# Altium PCB RTM_4SFP_3QSFP.PcbDoc (part 1 of 4) (continued)
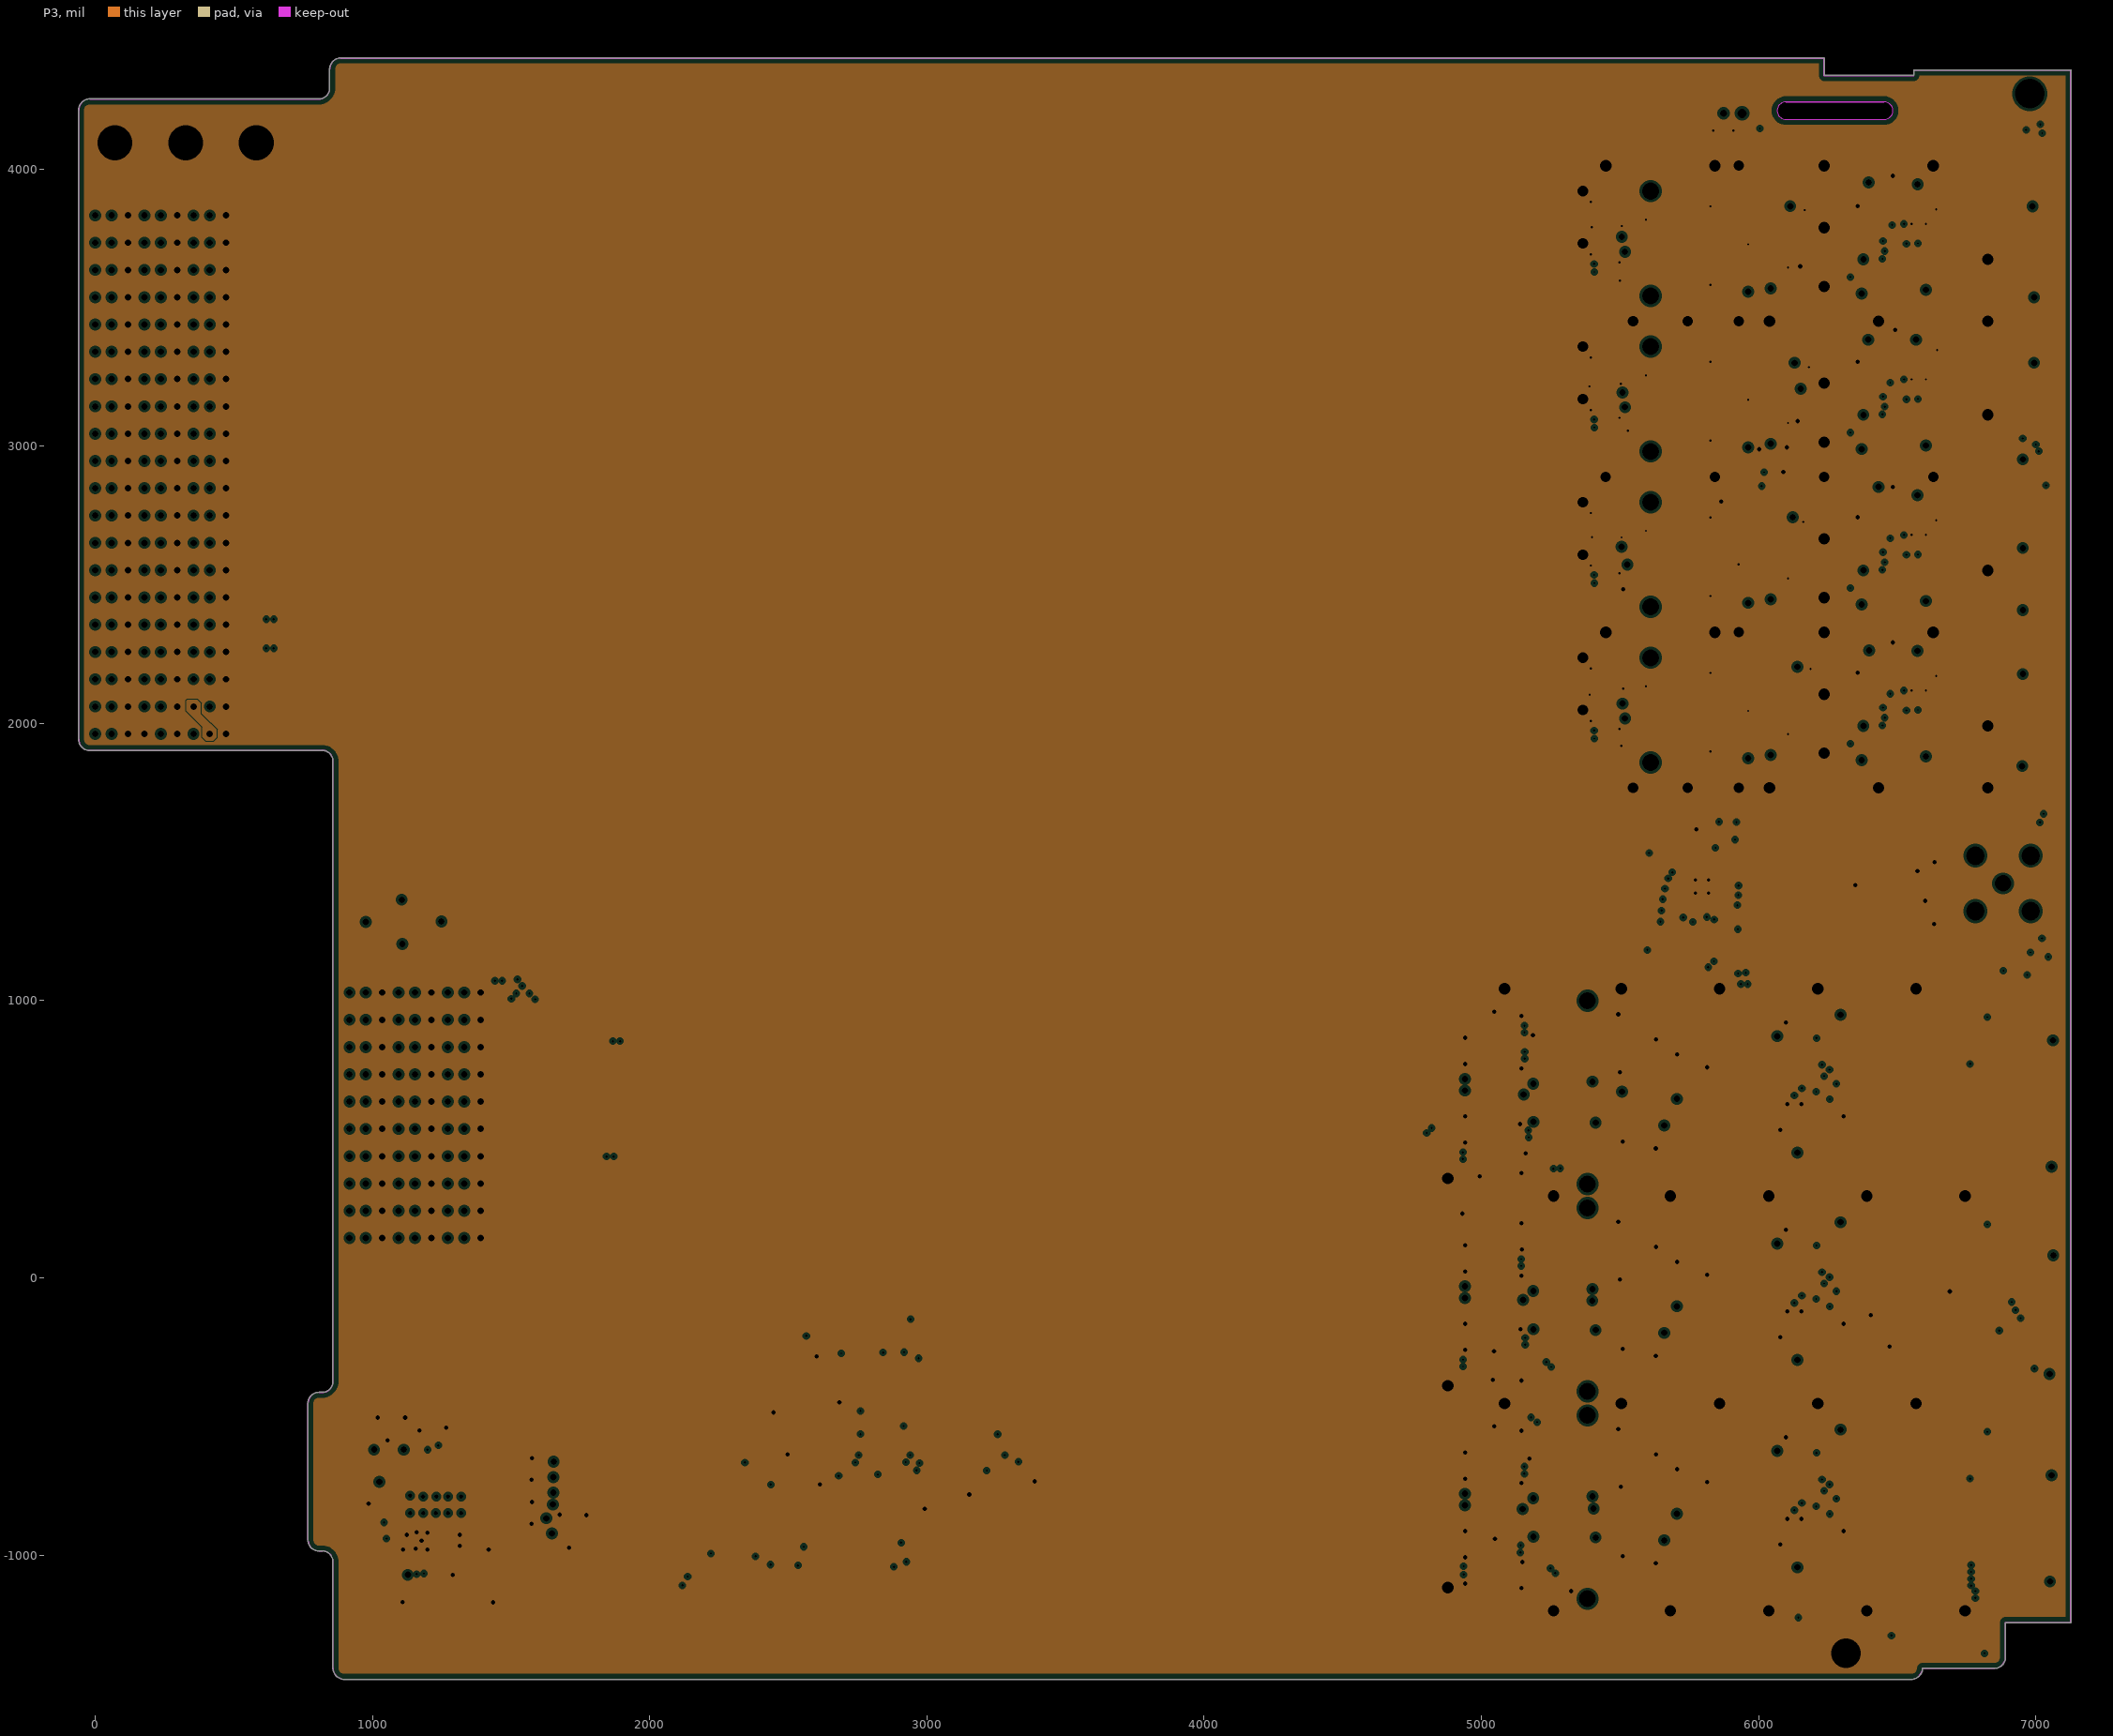
[diagram p3: P3, clearances drawn from the general rule]

## Layer stack, top to bottom
Top Solder: solder mask 0.3941, Solder Resist, Dk 3.5
L1: signal copper 1.1811
Dielectric1: prepreg 3.8976, FR408, Dk 3.54
P2: plane copper 1.4169, net P3V3
Dielectric 3: core 49.213, FR408, Dk 3.54
P3: plane copper 1.4169, net GND
Dielectric 2: prepreg 3.898, FR408, Dk 3.54
L4: signal copper 1.1811
Bottom Solder: solder mask 0.3941, Solder Resist, Dk 3.5

## Board outline
766.72,-944.88 ccw(c807.09,-944.88) 807.09,-985.25 ccw(c807.09,-984.25) 807.12,-985.25 818.9,-985.25 cw(c818.9,-1023.62) 857.27,-1023.59 cw(c818.9,-1023.62) 857.27,-1023.62 cw(c858.27,-1023.62) 857.27,-1023.59 857.27,-1023.62 857.27,-1407.48 ccw(c858.27,-1407.48) 857.27,-1407.51 ccw(c897.64,-1407.48) 897.59,-1447.85 ccw(c897.64,-1407.48) 897.64,-1447.85 6551.02,-1447.85 ccw(c6551.32,-1446.9) 6551.32,-1447.9 ccw(c6551.32,-1407.53) 6591.68,-1408.53 6850.53,-1408.53 ccw(c6850.53,-1407.53) 6850.56,-1408.53 ccw(c6850.53,-1368.16) 6890.9,-1368.16 ccw(c6889.9,-1368.16) 6890.75,-1367.62 6890.75,-1243.15 7125.95,-1243.15 ccw(c7125.95,-1242.15) 7126.95,-1242.15 7126.95,4356.35 ccw(c7125.95,4356.35) 7125.95,4357.35 6560.55,4357.35 ccw(c6560.55,4356.35) 6559.55,4356.35 6559.55,4337.65 6237.22,4337.65 6237.22,4399.61 ccw(c6236.22,4399.61) 6236.22,4400.61 885.83,4400.61 ccw(c885.83,4399.61) 885.8,4400.61 cw(c885.83,4360.24) 885.83,4400.61 cw(c885.83,4399.61) 885.83,4400.61 885.8,4400.61 ccw(c885.83,4360.24) 845.46,4360.24 ccw(c846.46,4360.24) 845.46,4360.21 845.46,4291.34 cw(c846.46,4291.34) 845.46,4291.37 845.46,4291.34 cw(c807.09,4291.34) 807.11,4252.97 ccw(c807.09,4251.97) 807.09,4252.97 -19.68,4252.97 ccw(c-19.68,4251.97) -19.71,4252.97 cw(c-19.69,4212.6) -19.69,4252.97 cw(c-19.69,4251.97) -19.68,4252.97 -19.71,4252.97 ccw(c-19.69,4212.6) -60.05,4212.6 ccw(c-59.06,4212.6) -60.05,4212.57 -60.05,1942.91 ccw(c-19.68,1942.91) -19.72,1902.54 ccw(c-19.68,1942.91) -19.68,1902.54 cw(c-19.68,1903.54) -19.72,1902.54 -19.68,1902.54 818.9,1902.54 ccw(c818.9,1903.54) 818.93,1902.54 ccw(c818.9,1864.17) 818.9,1902.54 cw(c818.9,1903.54) 818.9,1902.54 818.93,1902.54 cw(c818.9,1864.17) 857.27,1864.21 cw(c818.9,1864.17) 857.27,1864.17 cw(c858.27,1864.17) 857.27,1864.21 857.27,1864.17 857.27,-374.02 ccw(c858.27,-374.02) 857.27,-374.05 ccw(c818.9,-374.02) 857.27,-374.02 cw(c858.27,-374.02) 857.27,-374.02 857.27,-374.05 cw(c818.9,-374.02) 818.93,-412.39 ccw(c818.9,-413.39) 818.9,-412.39 807.09,-412.39 ccw(c807.09,-413.39) 807.06,-412.39 cw(c807.09,-452.76) 807.09,-412.39 cw(c807.09,-413.39) 807.09,-412.39 807.06,-412.39 ccw(c807.09,-452.76) 766.72,-452.76 ccw(c767.72,-452.76) 766.72,-452.79
cut-out: 6098.56,4179.09 6452.89,4179.09 ccw(c6452.89,4210.59) 6452.89,4242.08 6098.56,4242.08 ccw(c6098.56,4210.59)

## Design rules (kind name [scope] priority, off if disabled: settings)
AcuteAngle [All] p1: minimum=5.00000000000000E+0001 checktracksonly=FALSE
Clearance Clearance_copper_balancing [InPoly] p1: gap=10 ignorepadtopadclearanceinfootprint=FALSE
Clearance Clearance_Diff_Room [(InDifferentialPairClass('All Differential Pairs')) vs isRoom] p2 off: gap=10 ignorepadtopadclearanceinfootprint=FALSE
Clearance Clearance_Diff [All] p3 off: gap=9.84 ignorepadtopadclearanceinfootprint=FALSE
Clearance Clearance_2 [All] p4: gap=6 ignorepadtopadclearanceinfootprint=FALSE
Clearance [All] p5: gap=5 ignorepadtopadclearanceinfootprint=FALSE except(20: Arc-Poly Track-Poly SMDPad-Poly THPad-Poly Via-Poly Fill-Poly Poly-Poly)
ComponentClearance ComponentClearance_FP [InComponent('FP200')] p1: gap=-39370.08 collisioncheckmode=3 verticalgap=-39370.08 showdistances=FALSE
ComponentClearance [All] p2: gap=7.87 collisioncheckmode=3 verticalgap=7.87 showdistances=FALSE
DiffPairsRouting IF_DiffPairsRouting [(InDifferentialPairClass('All Differential Pairs'))] p1: maxlimit=5 minlimit=5 mostfreqgap=5 toplayer_minwidth=3.8 toplayer_maxwidth=3.8 toplayer_prefwidth=3.8 bottomlayer_minwidth=3.8 bottomlayer_maxwidth=3.8 bottomlayer_prefwidth=3.8 maxuncoupledlength=1968.5
FabricationTestPointUsage TestPointUsage [All] p1: valid=0 allowmultiple=FALSE
FabricationTestpoint Testpoint [(IsPad And (OnTopLayer Or OnBottomLayer))] p1: side=3 testpointundercomponent=TRUE minsize=40 maxsize=100 preferedsize=60 minholesize=0 maxholesize=40 preferedholesize=32 testpointgrid=1 allowsidetop=TRUE allowsidebottom=TRUE usegrid=TRUE gridtolerance=0.01
Height TopHeight [OnLayer('Top Layer (LO)')] p1: minheight=0 maxheight=62.99 prefheight=19.68
HoleSize [All] p1: absolutevalues=TRUE maxlimit=196.85 minlimit=7.87 maxpercent=80.000 minpercent=20.000
HoleToHoleClearance [All] p1: gap=15.75 allowstackedmicrovias=TRUE
Length [All] p1: maxlimit=100000 minlimit=0
MatchedLengths MatchedLengths_CLOCK [InNetClass('CLOCK')] p1: tolerance=3.94 checknetsindiffpair=FALSE checkdiffpairvsdiffpair=TRUE checkxsignals=TRUE checkothers=TRUE
MatchedLengths [InNetClass('IQ_SIGNAL')] p2 off: tolerance=1.97 checknetsindiffpair=TRUE checkdiffpairvsdiffpair=FALSE checkxsignals=FALSE checkothers=FALSE
MinimumAnnularRing [All] p1: minimumring=5.91
MinimumSolderMaskSliver [All] p1: minsoldermaskwidth=2.36
PlaneClearance [All] p1: clearance=9.84
PlaneConnect [All] p1: pad.planeconnectstyle=Relief pad.reliefexpansion=6 pad.reliefentries=4 pad.reliefconductorwidth=8 pad.reliefairgap=6 via.planeconnectstyle=Direct via.reliefexpansion=20 via.reliefentries=4 via.reliefconductorwidth=10 via.reliefairgap=10
PolygonConnect [All] p1: thpad.connectstyle=Relief thpad.reliefconductorwidth=8 thpad.reliefentries=4 thpad.polygonreliefangle="90 Angle" thpad.airgapwidth=8 smdpad.connectstyle=Relief smdpad.reliefconductorwidth=8 smdpad.reliefentries=4 smdpad.polygonreliefangle="90 Angle" smdpad.airgapwidth=6 via.connectstyle=Direct via.reliefconductorwidth=10 via.reliefentries=4 via.polygonreliefangle="90 Angle" via.airgapwidth=10
RoomDefinition U_SFP3 [InComponentClass('U_SFP3')] p1: confinementstyle=ConfineIn formatcopy=TRUE lockcomponents=FALSE outline 5253.89,2305 7281.46,2305 7281.46,2917.13 5253.89,2917.13
RoomDefinition U_PWR [InComponentClass('U_PWR')] p2: confinementstyle=ConfineIn formatcopy=TRUE lockcomponents=FALSE outline 1915,-399 1915,-1201.9 946.49,-1201.9 946.49,-399
RoomDefinition U_QSFPC [InComponentClass('U_QSFPC')] p3: confinementstyle=ConfineIn formatcopy=TRUE lockcomponents=FALSE outline 7290,-1202.06 4903.94,-1202.06 4903.94,-467.52 7290,-467.52
RoomDefinition U_QSFPB [InComponentClass('U_QSFPB')] p4: confinementstyle=ConfineIn formatcopy=TRUE lockcomponents=FALSE outline 7290,-454.03 4903.94,-454.03 4903.94,280.51 7290,280.51
RoomDefinition U_QSFPA [InComponentClass('U_QSFPA')] p5: confinementstyle=ConfineIn formatcopy=TRUE lockcomponents=FALSE outline 7290,294 4903.94,294 4903.94,1028.54 7290,1028.54
RoomDefinition U_I2C_Switch [InComponentClass('U_I2C_Switch')] p6: confinementstyle=ConfineIn formatcopy=TRUE lockcomponents=FALSE outline 5401.97,1259.84 6235.63,1259.84 6235.63,1642.09 5401.97,1642.09
RoomDefinition U_SFP4 [InComponentClass('U_SFP4')] p7: confinementstyle=ConfineIn formatcopy=TRUE lockcomponents=FALSE outline 5253.89,2866.02 7281.46,2866.02 7281.46,3478.15 5253.89,3478.15
RoomDefinition U_SFP2 [InComponentClass('U_SFP2')] p8: confinementstyle=ConfineIn formatcopy=TRUE lockcomponents=FALSE outline 5253.89,1743.98 7281.46,1743.98 7281.46,2356.1 5253.89,2356.1
RoomDefinition U_SFP1 [InComponentClass('U_SFP1')] p9: confinementstyle=ConfineIn formatcopy=TRUE lockcomponents=FALSE outline 5253.89,3427.05 7281.46,3427.05 7281.46,4039.17 5253.89,4039.17
RoomDefinition U_USR_IO_IPMI [InComponentClass('U_USR_IO_IPMI')] p10: confinementstyle=ConfineIn formatcopy=TRUE lockcomponents=FALSE outline 4631.89,-1313.82 2122.81,-1313.82 2122.81,-890.59 4631.89,-890.59
RoomDefinition U_uRFB_Connectors [InComponentClass('U_uRFB_Connectors')] p11: confinementstyle=ConfineIn formatcopy=TRUE lockcomponents=FALSE outline 263.78,37.4 1633.86,37.4 1633.86,1076.77 263.78,1076.77
RoomDefinition U_RTM_Connectors [InComponentClass('U_RTM_Connectors')] p12: confinementstyle=ConfineIn formatcopy=TRUE lockcomponents=FALSE outline 720.47,2083.45 -230.32,2083.45 -230.32,3841.32 720.47,3841.32
RoomDefinition RTM_4SFP_3QSFP_TOP [InComponentClass('RTM_4SFP_3QSFP_TOP')] p13: confinementstyle=ConfineIn formatcopy=TRUE lockcomponents=FALSE outline 4744.09,-1383.86 5061.02,-1383.86 5061.02,-996.06 4744.09,-996.06
RoutingVias RoutingVias_GND [InNet('GND')] p1: holewidth=15.75 width=23.62 viastyle="Through Hole" minholewidth=15.75 minwidth=23.62 maxholewidth=15.75 maxwidth=23.62
RoutingVias RoutingVias_PWR [InNetClass('POWER')] p2: holewidth=23.62 width=31.5 viastyle="Through Hole" minholewidth=23.62 minwidth=31.5 maxholewidth=23.62 maxwidth=31.5
RoutingVias [All] p3: holewidth=7.87 width=19.68 viastyle="Through Hole" minholewidth=7.87 minwidth=19.68 maxholewidth=7.87 maxwidth=19.68
SMDNeckDown [All] p1: percent=100.000
SMDToCorner [All] p1: distance=78740
SMDToPlane [All] p1 off: distance=0
ShortCircuit ShortCircuit_SMA [(InComponent('P1') OR InComponent('P2') OR InComponent('P5') OR InComponent('P4')) vs (OnLayer('Keep-Out Layer') OR OnLayer('Multi-Layer'))] p1: allowed=TRUE
ShortCircuit [All] p2: allowed=FALSE
SilkToSilkClearance [All] p1: silktosilkclearance=0
SilkToSolderMaskClearance SilkscreenOverComponentPads [IsPad vs IsText] p1: minsilkscreentomaskgap=1.97 clearancetoexposedcopper=TRUE
SolderMaskExpansion [All] p1: expansion=2.76
UnRoutedNet [not InNet('RF_ZE') or not('GND')] p1:
ViasUnderSMD [All] p1: allowed=FALSE
Width Width_PWR [InNetClass('POWER')] p1: maxlimit=78.74 minlimit=10 preferedwidth=19.68
Width Width_50Ohm_SIN [InNetClass('50R')] p2: maxlimit=6.64 minlimit=6.63 preferedwidth=6.64 toplayer_maxwidth=6.63 toplayer_prefwidth=6.63 bottomlayer_minwidth=6.64 minimp=50.000000 maximp=50.000000 favimp=50.000000
Width [All] p3: maxlimit=200 minlimit=5 preferedwidth=6
16 further rules are at their usual default settings.

## Classes and differential pairs
net class Diff_100Ohm: ADC1_SYNC_N ADC1_SYNC_P ADC2_SYNC_N ADC2_SYNC_P CLK_SMA_IN_N CLK_SMA_IN_P CLKA_N CLKA_P CLKB_N CLKB_P LVDS0_N LVDS0_P LVDS1_N LVDS1_P LVDS2_N LVDS2_P LVDS3_N LVDS3_P
net class POWER: GND P3V3 P12V0 QSFP_VCC1A QSFP_VCC1B QSFP_VCC1C QSFP_VCCRXA QSFP_VCCRXB QSFP_VCCRXC QSFP_VCCTXA QSFP_VCCTXB QSFP_VCCTXC SFP_VCCRA SFP_VCCRB SFP_VCCRC SFP_VCCRD SFP_VCCTA SFP_VCCTB SFP_VCCTC SFP_VCCTD
net class DE: GTP4RX_N GTP4RX_P GTP4TX_N GTP4TX_P GTP5RX_N GTP5RX_P GTP5TX_N GTP5TX_P GTP6RX_N GTP6RX_P GTP6TX_N GTP6TX_P GTP7RX_N GTP7RX_P GTP7TX_N GTP7TX_P GTP8RX_N GTP8RX_P GTP8TX_N GTP8TX_P GTP9RX_N GTP9RX_P GTP9TX_N GTP9TX_P GTP10RX_N GTP10RX_P GTP10TX_N GTP10TX_P GTP11RX_N GTP11RX_P GTP11TX_N GTP11TX_P GTP12RX_N GTP12RX_P GTP12TX_N GTP12TX_P GTP13RX_N GTP13RX_P GTP13TX_N GTP13TX_P GTP14RX_N GTP14RX_P GTP14TX_N GTP14TX_P GTP15RX_N GTP15RX_P GTP15TX_N GTP15TX_P
channel class SFP: U_SFP1 U_SFP2 U_SFP3 U_SFP4
channel class QSFP: U_QSFPA U_QSFPB U_QSFPC
net class QSFP: GTP4RX_N GTP4RX_P GTP4TX_N GTP4TX_P GTP5RX_N GTP5RX_P GTP5TX_N GTP5TX_P GTP6RX_N GTP6RX_P GTP6TX_N GTP6TX_P GTP7RX_N GTP7RX_P GTP7TX_N GTP7TX_P GTP8RX_N GTP8RX_P GTP8TX_N GTP8TX_P GTP9RX_N GTP9RX_P GTP9TX_N GTP9TX_P GTP10RX_N GTP10RX_P GTP10TX_N GTP10TX_P GTP11RX_N GTP11RX_P GTP11TX_N GTP11TX_P GTP12RX_N GTP12RX_P GTP12TX_N GTP12TX_P GTP13RX_N GTP13RX_P GTP13TX_N GTP13TX_P GTP14RX_N GTP14RX_P GTP14TX_N GTP14TX_P GTP15RX_N GTP15RX_P GTP15TX_N GTP15TX_P
component class U_USR_IO_IPMI: C21 C25 C26 C27 C29 D1 IC4 IC6 IC8 IC10 IC14 LDx LDy LED17 PB1 R7 R8 R9 R14 R15 R16 R23 R24 R25 R26 R27 R28 R30 R31 R32 R33 R34 R35 R36 R44 R45 R46 R47 R48 R73 R74 R75 T1 T2
component class U_uRFB_Connectors: C16 C17 C18 C19 C28 J3 J8 R2 TR1
component class U_SFP4: C12D C13D C14D C15D C20D C22D C23D C24D CON1D FB1D FB5D IC3D LD3D LD4D R37D R38D R39D R40D R41D R42D R43D
component class U_SFP3: C12C C13C C14C C15C C20C C22C C23C C24C CON1C FB1C FB5C IC3C LD3C LD4C R37C R38C R39C R40C R41C R42C R43C
component class U_SFP2: C12B C13B C14B C15B C20B C22B C23B C24B CON1B FB1B FB5B IC3B LD3B LD4B R37B R38B R39B R40B R41B R42B R43B
component class U_SFP1: C12A C13A C14A C15A C20A C22A C23A C24A CON1A FB1A FB5A IC3A LD3A LD4A R37A R38A R39A R40A R41A R42A R43A
component class U_RTM_Connectors: F1 J1 J2 J4
component class U_QSFPC: C33C C34C C35C C36C C37C C38C C39C C40C C41C C42C C43C C44C FB2C FB3C FB4C IC2C J5C LD1C LD2C R10C R11C R12C R13C R17C R18C R29C
component class U_QSFPB: C33B C34B C35B C36B C37B C38B C39B C40B C41B C42B C43B C44B FB2B FB3B FB4B IC2B J5B LD1B LD2B R10B R11B R12B R13B R17B R18B R29B
component class U_QSFPA: C33A C34A C35A C36A C37A C38A C39A C40A C41A C42A C43A C44A FB2A FB3A FB4A IC2A J5A LD1A LD2A R10A R11A R12A R13A R17A R18A R29A
component class U_PWR: C1 C2 C3 C4 C5 C6 C7 C8 C9 C10 C11 IC1 R1 R3 R4 R5 R6 TP1 TP2
component class U_I2C_Switch: C402 IC39 R316 R317 R318 R319 R320 R321 R322 R323 R324 R325 R326 R327 R328 R329 R330 R331 R332 R333 R334 R335 R336
component class RTM_4SFP_3QSFP_TOP: Cage1 Cage2 FP1 FTG1 FTG2 FTG3 FTG4 FTG5 FTG6 FTG7 FTG8 R19 R20 R21 R22
net class 50R: NetC17_2 SMA_IO
differential pair CLKB: +CLKB_P -CLKB_N
differential pair CLKA: +CLKA_P -CLKA_N
differential pair CLK_SMA_IN: +CLK_SMA_IN_P -CLK_SMA_IN_N
differential pair GTP0TX: +GTP0TX_P -GTP0TX_N
differential pair GTP0RX: +GTP0RX_P -GTP0RX_N
differential pair GTP15TX: +GTP15TX_P -GTP15TX_N
differential pair GTP15RX: +GTP15RX_P -GTP15RX_N
differential pair GTP14TX: +GTP14TX_P -GTP14TX_N
differential pair GTP14RX: +GTP14RX_P -GTP14RX_N
differential pair GTP13TX: +GTP13TX_P -GTP13TX_N
differential pair GTP13RX: +GTP13RX_P -GTP13RX_N
differential pair GTP12TX: +GTP12TX_P -GTP12TX_N
differential pair GTP12RX: +GTP12RX_P -GTP12RX_N
differential pair GTP11TX: +GTP11TX_P -GTP11TX_N
differential pair GTP11RX: +GTP11RX_P -GTP11RX_N
differential pair GTP10TX: +GTP10TX_P -GTP10TX_N
differential pair GTP10RX: +GTP10RX_P -GTP10RX_N
differential pair GTP9TX: +GTP9TX_P -GTP9TX_N
differential pair GTP9RX: +GTP9RX_P -GTP9RX_N
differential pair GTP8TX: +GTP8TX_P -GTP8TX_N
differential pair GTP8RX: +GTP8RX_P -GTP8RX_N
differential pair GTP7TX: +GTP7TX_P -GTP7TX_N
differential pair GTP7RX: +GTP7RX_P -GTP7RX_N
differential pair GTP6TX: +GTP6TX_P -GTP6TX_N
differential pair GTP6RX: +GTP6RX_P -GTP6RX_N
differential pair GTP5TX: +GTP5TX_P -GTP5TX_N
differential pair GTP5RX: +GTP5RX_P -GTP5RX_N
differential pair GTP4TX: +GTP4TX_P -GTP4TX_N
differential pair GTP4RX: +GTP4RX_P -GTP4RX_N
differential pair GTP3TX: +GTP3TX_P -GTP3TX_N
differential pair GTP3RX: +GTP3RX_P -GTP3RX_N
differential pair GTP2TX: +GTP2TX_P -GTP2TX_N
differential pair GTP2RX: +GTP2RX_P -GTP2RX_N
differential pair GTP1TX: +GTP1TX_P -GTP1TX_N
differential pair GTP1RX: +GTP1RX_P -GTP1RX_N
differential pair ADC1_SYNC: +ADC1_SYNC_P -ADC1_SYNC_N
differential pair ADC2_SYNC: +ADC2_SYNC_P -ADC2_SYNC_N
differential pair LVDS2: +LVDS2_P -LVDS2_N
differential pair LVDS3: +LVDS3_P -LVDS3_N
differential pair LVDS0: +LVDS0_P -LVDS0_N
differential pair LVDS1: +LVDS1_P -LVDS1_N

## Components (designator, comment, footprint, x,y, rotation, side; value= is the part's Value field where it differs from the comment)
C1 "10uF" CAPC2012X135N 1495.71,-885.96 r180 bottom
C2 "10uF" CAPC2012X135N 1495.71,-649.74 r180 bottom
C3 "10uF" CAPC2012X135N 1495.71,-728.48 r180 bottom
C4 "10uF" CAPC2012X135N 1495.71,-807.22 r180 bottom
C5 "100uF" CAPAE660X540N 1726.02,-758.99 r270 bottom
C6 "10uF" CAPC3216X140N 1019.33,-605.44 r270 bottom
C7 "10uF" CAPC3216X140N 1117.84,-605.45 r270 bottom
C8 "100nF" CAPC1005X55N 1007.52,-784.58 r0 bottom
C9 "1nF" CAPC1005X55N 1193.04,-1123.16 r270 bottom
C10 "100nF" CAPC1005X55N 993.74,-954.86 r90 bottom
C11 "12pF" CAPC1005X55N 1265.59,-585.76 r270 bottom
C12A "10uF" CAPC2012X135N 5927.17,3686.02 r0 top (schematic designator C12)
C12B "10uF" CAPC2012X135N 5927.17,2002.95 r0 top (schematic designator C12)
C12C "10uF" CAPC2012X135N 5927.17,2563.98 r0 top (schematic designator C12)
C12D "10uF" CAPC2012X135N 5927.17,3125 r0 top (schematic designator C12)
C13A "100nF" CAPC1005X55N 5480.31,3710.63 r270 top (schematic designator C13)
C13B "100nF" CAPC1005X55N 5480.31,2027.56 r270 top (schematic designator C13)
C13C "100nF" CAPC1005X55N 5480.31,2588.58 r270 top (schematic designator C13)
C13D "100nF" CAPC1005X55N 5480.31,3149.61 r270 top (schematic designator C13)
C14A "10uF" CAPC2012X135N 6068.9,3688.98 r0 top (schematic designator C14)
C14B "10uF" CAPC2012X135N 6068.9,2005.9 r0 top (schematic designator C14)
C14C "10uF" CAPC2012X135N 6068.9,2566.93 r0 top (schematic designator C14)
C14D "10uF" CAPC2012X135N 6068.9,3127.95 r0 top (schematic designator C14)
C15A "1uF" CAPC1608X87N 6074.8,3610.24 r180 top (schematic designator C15)
C15B "1uF" CAPC1608X87N 6074.8,1927.16 r180 top (schematic designator C15)
C15C "1uF" CAPC1608X87N 6074.8,2488.19 r180 top (schematic designator C15)
C15D "1uF" CAPC1608X87N 6074.8,3049.21 r180 top (schematic designator C15)
C16 "100nF" CAPC0603X33N 6326.18,1366.14 r180 bottom
C17 "100nF" CAPC0603X33N 6664.76,1425.39 r180 bottom
C18 "10nF" CAPC1005X55N 6648.03,1360.06 r0 bottom
C19 "10nF" CAPC1005X55N 6651.68,1532.19 r0 bottom
C20A "100nF" CAPC1005X55N 6596.46,3907.48 r0 top (schematic designator C20)
C20B "100nF" CAPC1005X55N 6596.46,2224.41 r0 top (schematic designator C20)
C20C "100nF" CAPC1005X55N 6596.46,2785.43 r0 top (schematic designator C20)
C20D "100nF" CAPC1005X55N 6596.46,3346.46 r0 top (schematic designator C20)
C21 "100nF" CAPC1005X55N 5982,2961 r0 top
C22A "100nF" CAPC1005X55N 6143.7,3826.77 r0 top (schematic designator C22)
C22B "100nF" CAPC1005X55N 6143.7,2143.7 r0 top (schematic designator C22)
C22C "100nF" CAPC1005X55N 6143.7,2704.72 r0 top (schematic designator C22)
C22D "100nF" CAPC1005X55N 6143.7,3265.75 r0 top (schematic designator C22)
C23A "10uF" CAPC2012X135N 5551.18,3781.5 r90 top (schematic designator C23)
C23B "10uF" CAPC2012X135N 5551.18,2098.42 r90 top (schematic designator C23)
C23C "10uF" CAPC2012X135N 5551.18,2659.45 r90 top (schematic designator C23)
C23D "10uF" CAPC2012X135N 5553.57,3225.39 r90 top (schematic designator C23)
C24A "100nF" CAPC1005X55N 5442.91,3776.58 r90 top (schematic designator C24)
C24B "100nF" CAPC1005X55N 5442.91,2093.5 r90 top (schematic designator C24)
C24C "100nF" CAPC1005X55N 5442.91,2654.53 r90 top (schematic designator C24)
C24D "100nF" CAPC1005X55N 5442.91,3215.55 r90 top (schematic designator C24)
C25 "100nF" CAPC1005X55N 3390,-787 r90 bottom
C26 "100nF" CAPC1005X55N 1437.29,-1118.96 r270 top
C27 "100nF" CAPC1005X55N 2662.84,-743.65 r180 bottom
C28 "100nF" CAPC0603X33N 6330.09,1464.76 r180 bottom
C29 "100nF" CAPC1005X55N 6406.02,-184.43 r90 top
C33A "10uF" CAPC2012X135N 5456,707 r90 top (schematic designator C33)
C33B "10uF" CAPC2012X135N 5456,-41.03 r90 top (schematic designator C33)
C33C "10uF" CAPC2012X135N 5456,-789.06 r90 top (schematic designator C33)
C34A "100nF" CAPC0603X33N 5138.41,708 r90 top (schematic designator C34)
C34B "100nF" CAPC0603X33N 5136.97,-32 r90 top (schematic designator C34)
C34C "100nF" CAPC0603X33N 5126.09,-792 r90 top (schematic designator C34)
C35A "10uF" CAPC2012X135N 5705.66,731 r90 top (schematic designator C35)
C35B "10uF" CAPC2012X135N 5705.66,-17.03 r90 top (schematic designator C35)
C35C "10uF" CAPC2012X135N 5705.66,-765.06 r90 top (schematic designator C35)
C36A "1uF" CAPC1608X87N 5777.69,728 r270 top (schematic designator C36)
C36B "1uF" CAPC1608X87N 5777.69,-20.03 r270 top (schematic designator C36)
C36C "1uF" CAPC1608X87N 5777.69,-768.06 r270 top (schematic designator C36)
C37A "1uF" CAPC1608X87N 6110,498 r0 top (schematic designator C37)
C37B "1uF" CAPC1608X87N 6110,-250.03 r0 top (schematic designator C37)
C37C "1uF" CAPC1608X87N 6110,-998.06 r0 top (schematic designator C37)
C38A "100nF" CAPC0603X33N 5630,509 r270 top (schematic designator C38)
C38B "100nF" CAPC0603X33N 5630,-239.03 r270 top (schematic designator C38)
C38C "100nF" CAPC0603X33N 5630,-987.06 r270 top (schematic designator C38)
C39A "100nF" CAPC0603X33N 6098.43,885.83 r90 top (schematic designator C39)
C39B "100nF" CAPC0603X33N 6098.43,137.8 r90 top (schematic designator C39)
C39C "100nF" CAPC0603X33N 6098.43,-610.24 r90 top (schematic designator C39)
C40A "100nF" CAPC0603X33N 5627,824.22 r90 top (schematic designator C40)
C40B "100nF" CAPC0603X33N 5627,76.19 r90 top (schematic designator C40)
C40C "100nF" CAPC0603X33N 5627,-671.84 r90 top (schematic designator C40)
C41A "10uF" CAPC2012X135N 5463,527 r270 top (schematic designator C41)
C41B "10uF" CAPC2012X135N 5463,-221.03 r270 top (schematic designator C41)
C41C "10uF" CAPC2012X135N 5463,-969.06 r270 top (schematic designator C41)
C42A "100nF" CAPC0603X33N 4943,625 r270 top (schematic designator C42)
C42B "100nF" CAPC0603X33N 4943,-123 r270 top (schematic designator C42)